# KiCad board demomatrix.kicad_pcb (continued)
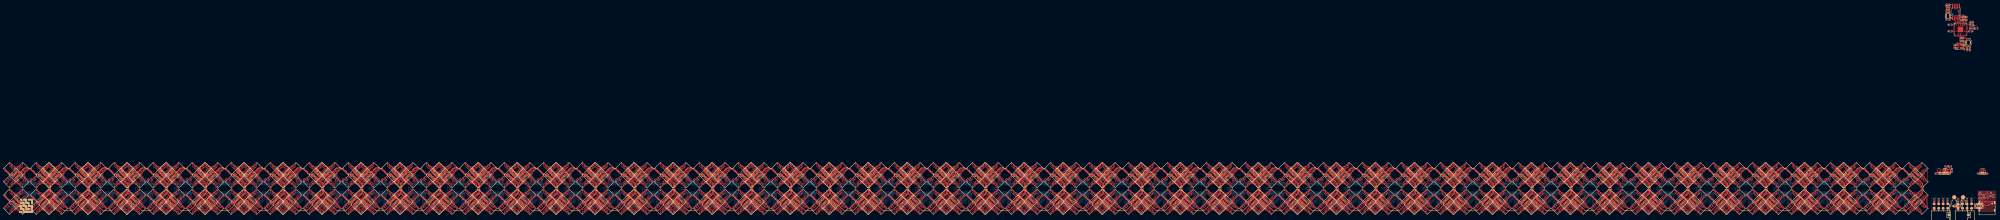
[diagram p0: board, top side]
## Library data of the parts (continued)
C455 = -: Datasheet: https://www.lcsc.com/datasheet/lcsc_datasheet_2304140030_FH--Guangdong-Fenghua-Advanced-Tech-0402CG150J500NT_C1548.pdf; LCSC: C1548; Manufacturer: FH(Guangdong Fenghua Advanced Tech); Partnumber: 0402CG150J500NT; PARAM_capacitance: {"type": "Quantity_Interval_Disjoint", "data": {"intervals": {"type": "Numeric_Interval_Disjoint", "data": {"intervals": [{"type": "Numeric_Interval", "data": {"min": 1.425e-11, "max": 1.575e-11}}]}}, "unit": "farad"}}; PARAM_max_voltage: {"type": "Quantity_Set_Discrete", "data": {"intervals": {"type": "Numeric_Interval_Disjoint", "data": {"intervals": [{"type": "Numeric_Interval", "data": {"min": 50.0, "max": 50.0}}]}}, "unit": "volt"}}; PARAM_temperature_coefficient: {"type": "EnumSet", "data": {"elements": [{"name": "C0G"}], "enum": {"name": "TemperatureCoefficient", "values": {"Y5V": 1, "Z5U": 2, "X7S": 3, "X5R": 4, "X6R": 5, "X7R": 6, "X8R": 7, "C0G": 8}}}}; atopile_address: micro.crystal_oscillator.compensation_capacitors[1]; atopile_subaddresses: [.ato/modules/atopile/raspberry-rp2040/layouts/default/default.kicad_pcb:crystal_oscillator.compensation_capacitors[1]]
C456 = -: Datasheet: https://www.lcsc.com/datasheet/lcsc_datasheet_2304140030_Samsung-Electro-Mechanics-CL05A225MQ5NSNC_C12530.pdf; LCSC: C12530; Manufacturer: Samsung Electro-Mechanics; Partnumber: CL05A225MQ5NSNC; PARAM_capacitance: {"type": "Quantity_Interval_Disjoint", "data": {"intervals": {"type": "Numeric_Interval_Disjoint", "data": {"intervals": [{"type": "Numeric_Interval", "data": {"min": 1.759999993e-06, "max": 2.640000007e-06}}]}}, "unit": "farad"}}; PARAM_max_voltage: {"type": "Quantity_Set_Discrete", "data": {"intervals": {"type": "Numeric_Interval_Disjoint", "data": {"intervals": [{"type": "Numeric_Interval", "data": {"min": 6.3, "max": 6.3}}]}}, "unit": "volt"}}; PARAM_temperature_coefficient: {"type": "EnumSet", "data": {"elements": [{"name": "X5R"}], "enum": {"name": "TemperatureCoefficient", "values": {"Y5V": 1, "Z5U": 2, "X7S": 3, "X5R": 4, "X6R": 5, "X7R": 6, "X8R": 7, "C0G": 8}}}}; atopile_address: micro.io_power_decoupling_capacitor[0]; atopile_subaddresses: [.ato/modules/atopile/raspberry-rp2040/layouts/default/default.kicad_pcb:io_power_decoupling_capacitor[0]]
C457 = -: Datasheet: https://www.lcsc.com/datasheet/lcsc_datasheet_2304140030_Samsung-Electro-Mechanics-CL05B104KO5NNNC_C1525.pdf; LCSC: C1525; Manufacturer: Samsung Electro-Mechanics; Partnumber: CL05B104KO5NNNC; PARAM_capacitance: {"type": "Quantity_Interval_Disjoint", "data": {"intervals": {"type": "Numeric_Interval_Disjoint", "data": {"intervals": [{"type": "Numeric_Interval", "data": {"min": 9e-08, "max": 1.1e-07}}]}}, "unit": "farad"}}; PARAM_max_voltage: {"type": "Quantity_Set_Discrete", "data": {"intervals": {"type": "Numeric_Interval_Disjoint", "data": {"intervals": [{"type": "Numeric_Interval", "data": {"min": 16.0, "max": 16.0}}]}}, "unit": "volt"}}; PARAM_temperature_coefficient: {"type": "EnumSet", "data": {"elements": [{"name": "X7R"}], "enum": {"name": "TemperatureCoefficient", "values": {"Y5V": 1, "Z5U": 2, "X7S": 3, "X5R": 4, "X6R": 5, "X7R": 6, "X8R": 7, "C0G": 8}}}}; atopile_address: micro.io_power_decoupling_capacitor[1]; atopile_subaddresses: [.ato/modules/atopile/raspberry-rp2040/layouts/default/default.kicad_pcb:io_power_decoupling_capacitor[1]]
C458 = -: Datasheet: https://www.lcsc.com/datasheet/lcsc_datasheet_2304140030_Samsung-Electro-Mechanics-CL05B104KO5NNNC_C1525.pdf; LCSC: C1525; Manufacturer: Samsung Electro-Mechanics; Partnumber: CL05B104KO5NNNC; PARAM_capacitance: {"type": "Quantity_Interval_Disjoint", "data": {"intervals": {"type": "Numeric_Interval_Disjoint", "data": {"intervals": [{"type": "Numeric_Interval", "data": {"min": 9e-08, "max": 1.1e-07}}]}}, "unit": "farad"}}; PARAM_max_voltage: {"type": "Quantity_Set_Discrete", "data": {"intervals": {"type": "Numeric_Interval_Disjoint", "data": {"intervals": [{"type": "Numeric_Interval", "data": {"min": 16.0, "max": 16.0}}]}}, "unit": "volt"}}; PARAM_temperature_coefficient: {"type": "EnumSet", "data": {"elements": [{"name": "X7R"}], "enum": {"name": "TemperatureCoefficient", "values": {"Y5V": 1, "Z5U": 2, "X7S": 3, "X5R": 4, "X6R": 5, "X7R": 6, "X8R": 7, "C0G": 8}}}}; atopile_address: micro.io_power_decoupling_capacitor[2]; atopile_subaddresses: [.ato/modules/atopile/raspberry-rp2040/layouts/default/default.kicad_pcb:io_power_decoupling_capacitor[2]]
C459 = -: Datasheet: https://www.lcsc.com/datasheet/lcsc_datasheet_2304140030_Samsung-Electro-Mechanics-CL05B104KO5NNNC_C1525.pdf; LCSC: C1525; Manufacturer: Samsung Electro-Mechanics; Partnumber: CL05B104KO5NNNC; PARAM_capacitance: {"type": "Quantity_Interval_Disjoint", "data": {"intervals": {"type": "Numeric_Interval_Disjoint", "data": {"intervals": [{"type": "Numeric_Interval", "data": {"min": 9e-08, "max": 1.1e-07}}]}}, "unit": "farad"}}; PARAM_max_voltage: {"type": "Quantity_Set_Discrete", "data": {"intervals": {"type": "Numeric_Interval_Disjoint", "data": {"intervals": [{"type": "Numeric_Interval", "data": {"min": 16.0, "max": 16.0}}]}}, "unit": "volt"}}; PARAM_temperature_coefficient: {"type": "EnumSet", "data": {"elements": [{"name": "X7R"}], "enum": {"name": "TemperatureCoefficient", "values": {"Y5V": 1, "Z5U": 2, "X7S": 3, "X5R": 4, "X6R": 5, "X7R": 6, "X8R": 7, "C0G": 8}}}}; atopile_address: micro.io_power_decoupling_capacitor[3]; atopile_subaddresses: [.ato/modules/atopile/raspberry-rp2040/layouts/default/default.kicad_pcb:io_power_decoupling_capacitor[3]]
C460 = -: Datasheet: https://www.lcsc.com/datasheet/lcsc_datasheet_2304140030_Samsung-Electro-Mechanics-CL05B104KO5NNNC_C1525.pdf; LCSC: C1525; Manufacturer: Samsung Electro-Mechanics; Partnumber: CL05B104KO5NNNC; PARAM_capacitance: {"type": "Quantity_Interval_Disjoint", "data": {"intervals": {"type": "Numeric_Interval_Disjoint", "data": {"intervals": [{"type": "Numeric_Interval", "data": {"min": 9e-08, "max": 1.1e-07}}]}}, "unit": "farad"}}; PARAM_max_voltage: {"type": "Quantity_Set_Discrete", "data": {"intervals": {"type": "Numeric_Interval_Disjoint", "data": {"intervals": [{"type": "Numeric_Interval", "data": {"min": 16.0, "max": 16.0}}]}}, "unit": "volt"}}; PARAM_temperature_coefficient: {"type": "EnumSet", "data": {"elements": [{"name": "X7R"}], "enum": {"name": "TemperatureCoefficient", "values": {"Y5V": 1, "Z5U": 2, "X7S": 3, "X5R": 4, "X6R": 5, "X7R": 6, "X8R": 7, "C0G": 8}}}}; atopile_address: micro.io_power_decoupling_capacitor[4]; atopile_subaddresses: [.ato/modules/atopile/raspberry-rp2040/layouts/default/default.kicad_pcb:io_power_decoupling_capacitor[4]]
C461 = -: Datasheet: https://www.lcsc.com/datasheet/lcsc_datasheet_2304140030_Samsung-Electro-Mechanics-CL05B104KO5NNNC_C1525.pdf; LCSC: C1525; Manufacturer: Samsung Electro-Mechanics; Partnumber: CL05B104KO5NNNC; PARAM_capacitance: {"type": "Quantity_Interval_Disjoint", "data": {"intervals": {"type": "Numeric_Interval_Disjoint", "data": {"intervals": [{"type": "Numeric_Interval", "data": {"min": 9e-08, "max": 1.1e-07}}]}}, "unit": "farad"}}; PARAM_max_voltage: {"type": "Quantity_Set_Discrete", "data": {"intervals": {"type": "Numeric_Interval_Disjoint", "data": {"intervals": [{"type": "Numeric_Interval", "data": {"min": 16.0, "max": 16.0}}]}}, "unit": "volt"}}; PARAM_temperature_coefficient: {"type": "EnumSet", "data": {"elements": [{"name": "X7R"}], "enum": {"name": "TemperatureCoefficient", "values": {"Y5V": 1, "Z5U": 2, "X7S": 3, "X5R": 4, "X6R": 5, "X7R": 6, "X8R": 7, "C0G": 8}}}}; atopile_address: micro.io_power_decoupling_capacitor[5]; atopile_subaddresses: [.ato/modules/atopile/raspberry-rp2040/layouts/default/default.kicad_pcb:io_power_decoupling_capacitor[5]]
C462 = -: Datasheet: https://www.lcsc.com/datasheet/lcsc_datasheet_2304140030_Samsung-Electro-Mechanics-CL05B104KO5NNNC_C1525.pdf; LCSC: C1525; Manufacturer: Samsung Electro-Mechanics; Partnumber: CL05B104KO5NNNC; PARAM_capacitance: {"type": "Quantity_Interval_Disjoint", "data": {"intervals": {"type": "Numeric_Interval_Disjoint", "data": {"intervals": [{"type": "Numeric_Interval", "data": {"min": 9e-08, "max": 1.1e-07}}]}}, "unit": "farad"}}; PARAM_max_voltage: {"type": "Quantity_Set_Discrete", "data": {"intervals": {"type": "Numeric_Interval_Disjoint", "data": {"intervals": [{"type": "Numeric_Interval", "data": {"min": 16.0, "max": 16.0}}]}}, "unit": "volt"}}; PARAM_temperature_coefficient: {"type": "EnumSet", "data": {"elements": [{"name": "X7R"}], "enum": {"name": "TemperatureCoefficient", "values": {"Y5V": 1, "Z5U": 2, "X7S": 3, "X5R": 4, "X6R": 5, "X7R": 6, "X8R": 7, "C0G": 8}}}}; atopile_address: micro.io_power_decoupling_capacitor[6]; atopile_subaddresses: [.ato/modules/atopile/raspberry-rp2040/layouts/default/default.kicad_pcb:io_power_decoupling_capacitor[6]]
C463 = -: Datasheet: https://www.lcsc.com/datasheet/lcsc_datasheet_2304140030_Samsung-Electro-Mechanics-CL05A225MQ5NSNC_C12530.pdf; LCSC: C12530; Manufacturer: Samsung Electro-Mechanics; Partnumber: CL05A225MQ5NSNC; PARAM_capacitance: {"type": "Quantity_Interval_Disjoint", "data": {"intervals": {"type": "Numeric_Interval_Disjoint", "data": {"intervals": [{"type": "Numeric_Interval", "data": {"min": 1.759999993e-06, "max": 2.640000007e-06}}]}}, "unit": "farad"}}; PARAM_max_voltage: {"type": "Quantity_Set_Discrete", "data": {"intervals": {"type": "Numeric_Interval_Disjoint", "data": {"intervals": [{"type": "Numeric_Interval", "data": {"min": 6.3, "max": 6.3}}]}}, "unit": "volt"}}; PARAM_temperature_coefficient: {"type": "EnumSet", "data": {"elements": [{"name": "X5R"}], "enum": {"name": "TemperatureCoefficient", "values": {"Y5V": 1, "Z5U": 2, "X7S": 3, "X5R": 4, "X6R": 5, "X7R": 6, "X8R": 7, "C0G": 8}}}}; atopile_address: micro.qspi_flash.decoupling_capacitor[0]; atopile_subaddresses: [.ato/modules/atopile/raspberry-rp2040/layouts/default/default.kicad_pcb:qspi_flash.decoupling_capacitor[0]]
C464 = -: Datasheet: https://www.lcsc.com/datasheet/lcsc_datasheet_2304140030_Samsung-Electro-Mechanics-CL05B104KO5NNNC_C1525.pdf; LCSC: C1525; Manufacturer: Samsung Electro-Mechanics; Partnumber: CL05B104KO5NNNC; PARAM_capacitance: {"type": "Quantity_Interval_Disjoint", "data": {"intervals": {"type": "Numeric_Interval_Disjoint", "data": {"intervals": [{"type": "Numeric_Interval", "data": {"min": 9e-08, "max": 1.1e-07}}]}}, "unit": "farad"}}; PARAM_max_voltage: {"type": "Quantity_Set_Discrete", "data": {"intervals": {"type": "Numeric_Interval_Disjoint", "data": {"intervals": [{"type": "Numeric_Interval", "data": {"min": 16.0, "max": 16.0}}]}}, "unit": "volt"}}; PARAM_temperature_coefficient: {"type": "EnumSet", "data": {"elements": [{"name": "X7R"}], "enum": {"name": "TemperatureCoefficient", "values": {"Y5V": 1, "Z5U": 2, "X7S": 3, "X5R": 4, "X6R": 5, "X7R": 6, "X8R": 7, "C0G": 8}}}}; atopile_address: micro.qspi_flash.decoupling_capacitor[1]; atopile_subaddresses: [.ato/modules/atopile/raspberry-rp2040/layouts/default/default.kicad_pcb:qspi_flash.decoupling_capacitor[1]]
C465 = -: Datasheet: https://www.lcsc.com/datasheet/lcsc_datasheet_2304140030_Samsung-Electro-Mechanics-CL05A105KA5NQNC_C52923.pdf; LCSC: C52923; Manufacturer: Samsung Electro-Mechanics; Partnumber: CL05A105KA5NQNC; PARAM_capacitance: {"type": "Quantity_Interval_Disjoint", "data": {"intervals": {"type": "Numeric_Interval_Disjoint", "data": {"intervals": [{"type": "Numeric_Interval", "data": {"min": 8.99999999e-07, "max": 1.100000001e-06}}]}}, "unit": "farad"}}; PARAM_max_voltage: {"type": "Quantity_Set_Discrete", "data": {"intervals": {"type": "Numeric_Interval_Disjoint", "data": {"intervals": [{"type": "Numeric_Interval", "data": {"min": 25.0, "max": 25.0}}]}}, "unit": "volt"}}; PARAM_temperature_coefficient: {"type": "EnumSet", "data": {"elements": [{"name": "X5R"}], "enum": {"name": "TemperatureCoefficient", "values": {"Y5V": 1, "Z5U": 2, "X7S": 3, "X5R": 4, "X6R": 5, "X7R": 6, "X8R": 7, "C0G": 8}}}}; atopile_address: micro.reset_switch.filter.capacitor; atopile_subaddresses: [.ato/modules/atopile/raspberry-rp2040/layouts/default/default.kicad_pcb:reset_switch.filter.capacitor]
C466 = -: Datasheet: https://www.lcsc.com/datasheet/lcsc_datasheet_2304140030_Samsung-Electro-Mechanics-CL05B104KO5NNNC_C1525.pdf; LCSC: C1525; Manufacturer: Samsung Electro-Mechanics; Partnumber: CL05B104KO5NNNC; PARAM_capacitance: {"type": "Quantity_Interval_Disjoint", "data": {"intervals": {"type": "Numeric_Interval_Disjoint", "data": {"intervals": [{"type": "Numeric_Interval", "data": {"min": 9e-08, "max": 1.1e-07}}]}}, "unit": "farad"}}; PARAM_max_voltage: {"type": "Quantity_Set_Discrete", "data": {"intervals": {"type": "Numeric_Interval_Disjoint", "data": {"intervals": [{"type": "Numeric_Interval", "data": {"min": 16.0, "max": 16.0}}]}}, "unit": "volt"}}; PARAM_temperature_coefficient: {"type": "EnumSet", "data": {"elements": [{"name": "X7R"}], "enum": {"name": "TemperatureCoefficient", "values": {"Y5V": 1, "Z5U": 2, "X7S": 3, "X5R": 4, "X6R": 5, "X7R": 6, "X8R": 7, "C0G": 8}}}}; atopile_address: sdi_shifter.decoupling_caps[0]; atopile_subaddresses: [.ato/modules/atopile/diodes-inc-74lvc1t45dw-7/layouts/default/default.kicad_pcb:decoupling_caps[0]]
C467 = -: Datasheet: https://www.lcsc.com/datasheet/lcsc_datasheet_2304140030_Samsung-Electro-Mechanics-CL05B104KO5NNNC_C1525.pdf; LCSC: C1525; Manufacturer: Samsung Electro-Mechanics; Partnumber: CL05B104KO5NNNC; PARAM_capacitance: {"type": "Quantity_Interval_Disjoint", "data": {"intervals": {"type": "Numeric_Interval_Disjoint", "data": {"intervals": [{"type": "Numeric_Interval", "data": {"min": 9e-08, "max": 1.1e-07}}]}}, "unit": "farad"}}; PARAM_max_voltage: {"type": "Quantity_Set_Discrete", "data": {"intervals": {"type": "Numeric_Interval_Disjoint", "data": {"intervals": [{"type": "Numeric_Interval", "data": {"min": 16.0, "max": 16.0}}]}}, "unit": "volt"}}; PARAM_temperature_coefficient: {"type": "EnumSet", "data": {"elements": [{"name": "X7R"}], "enum": {"name": "TemperatureCoefficient", "values": {"Y5V": 1, "Z5U": 2, "X7S": 3, "X5R": 4, "X6R": 5, "X7R": 6, "X8R": 7, "C0G": 8}}}}; atopile_address: sdi_shifter.decoupling_caps[1]; atopile_subaddresses: [.ato/modules/atopile/diodes-inc-74lvc1t45dw-7/layouts/default/default.kicad_pcb:decoupling_caps[1]]
C468 = -: Datasheet: https://www.lcsc.com/datasheet/lcsc_datasheet_2304140030_Samsung-Electro-Mechanics-CL05B104KO5NNNC_C1525.pdf; LCSC: C1525; Manufacturer: Samsung Electro-Mechanics; Partnumber: CL05B104KO5NNNC; PARAM_capacitance: {"type": "Quantity_Interval_Disjoint", "data": {"intervals": {"type": "Numeric_Interval_Disjoint", "data": {"intervals": [{"type": "Numeric_Interval", "data": {"min": 9e-08, "max": 1.1e-07}}]}}, "unit": "farad"}}; PARAM_max_voltage: {"type": "Quantity_Set_Discrete", "data": {"intervals": {"type": "Numeric_Interval_Disjoint", "data": {"intervals": [{"type": "Numeric_Interval", "data": {"min": 16.0, "max": 16.0}}]}}, "unit": "volt"}}; PARAM_temperature_coefficient: {"type": "EnumSet", "data": {"elements": [{"name": "X7R"}], "enum": {"name": "TemperatureCoefficient", "values": {"Y5V": 1, "Z5U": 2, "X7S": 3, "X5R": 4, "X6R": 5, "X7R": 6, "X8R": 7, "C0G": 8}}}}; atopile_address: sdo_shifter.decoupling_caps[0]; atopile_subaddresses: [.ato/modules/atopile/diodes-inc-74lvc1t45dw-7/layouts/default/default.kicad_pcb:decoupling_caps[0]]
C469 = -: Datasheet: https://www.lcsc.com/datasheet/lcsc_datasheet_2304140030_Samsung-Electro-Mechanics-CL05B104KO5NNNC_C1525.pdf; LCSC: C1525; Manufacturer: Samsung Electro-Mechanics; Partnumber: CL05B104KO5NNNC; PARAM_capacitance: {"type": "Quantity_Interval_Disjoint", "data": {"intervals": {"type": "Numeric_Interval_Disjoint", "data": {"intervals": [{"type": "Numeric_Interval", "data": {"min": 9e-08, "max": 1.1e-07}}]}}, "unit": "farad"}}; PARAM_max_voltage: {"type": "Quantity_Set_Discrete", "data": {"intervals": {"type": "Numeric_Interval_Disjoint", "data": {"intervals": [{"type": "Numeric_Interval", "data": {"min": 16.0, "max": 16.0}}]}}, "unit": "volt"}}; PARAM_temperature_coefficient: {"type": "EnumSet", "data": {"elements": [{"name": "X7R"}], "enum": {"name": "TemperatureCoefficient", "values": {"Y5V": 1, "Z5U": 2, "X7S": 3, "X5R": 4, "X6R": 5, "X7R": 6, "X8R": 7, "C0G": 8}}}}; atopile_address: sdo_shifter.decoupling_caps[1]; atopile_subaddresses: [.ato/modules/atopile/diodes-inc-74lvc1t45dw-7/layouts/default/default.kicad_pcb:decoupling_caps[1]]
C470 = -: Datasheet: https://www.lcsc.com/datasheet/lcsc_datasheet_2304140030_Samsung-Electro-Mechanics-CL05B104KO5NNNC_C1525.pdf; LCSC: C1525; Manufacturer: Samsung Electro-Mechanics; Partnumber: CL05B104KO5NNNC; PARAM_capacitance: {"type": "Quantity_Interval_Disjoint", "data": {"intervals": {"type": "Numeric_Interval_Disjoint", "data": {"intervals": [{"type": "Numeric_Interval", "data": {"min": 9e-08, "max": 1.1e-07}}]}}, "unit": "farad"}}; PARAM_max_voltage: {"type": "Quantity_Set_Discrete", "data": {"intervals": {"type": "Numeric_Interval_Disjoint", "data": {"intervals": [{"type": "Numeric_Interval", "data": {"min": 16.0, "max": 16.0}}]}}, "unit": "volt"}}; PARAM_temperature_coefficient: {"type": "EnumSet", "data": {"elements": [{"name": "X7R"}], "enum": {"name": "TemperatureCoefficient", "values": {"Y5V": 1, "Z5U": 2, "X7S": 3, "X5R": 4, "X6R": 5, "X7R": 6, "X8R": 7, "C0G": 8}}}}; atopile_address: usb_c.esd_protection.decoupling_capacitor; atopile_subaddresses: [.ato/modules/atopile/usb-connectors/layouts/default/default.kicad_pcb:esd_protection.decoupling_capacitor]
CN1 = -: LCSC: C431092; Manufacturer: AMASS; Partnumber: XT30PW-M30.G.Y; atopile_address: led_power_connector.package
D1 = -: Datasheet: https://lcsc.com/datasheet/lcsc_datasheet_2410121836_ST-USBLC6-2SC6_C7519.pdf; LCSC: C7519; Manufacturer: STMicroelectronics; Partnumber: USBLC6-2SC6; atopile_address: usb_c.esd_protection.package; atopile_subaddresses: [.ato/modules/atopile/usb-connectors/layouts/default/default.kicad_pcb:esd_protection.package]
F1 = -: Datasheet: https://lcsc.com/datasheet/lcsc_datasheet_2409301532_BHFUSE-BSMD0805-050-15V_C883109.pdf; LCSC: C883109; Manufacturer: BHFUSE; Partnumber: BSMD0805-050-15V; atopile_address: usb_c.fused_usb.fuse.package; atopile_subaddresses: [.ato/modules/atopile/usb-connectors/layouts/default/default.kicad_pcb:fused_usb.fuse.package]
LED1 = -: LCSC: C22470444; Manufacturer: HONGLITRONIC); Partnumber: HL-5050RGBW-S1-A27; atopile_address: clusters[0].rows[0].pixels[0].rgbs[0].rgbw.package; atopile_subaddresses: [elec/layout/cluster2x2/cluster2x2.kicad_pcb:rows[0].pixels[0].rgbs[0].rgbw.package, elec/layout/pixel15hl5050/pixel15hl5050.kicad_pcb:rgbs[0].rgbw.package, elec/layout/row2/row2.kicad_pcb:pixels[0].rgbs[0].rgbw.package]
LED2 = -: LCSC: C22470444; Manufacturer: HONGLITRONIC); Partnumber: HL-5050RGBW-S1-A27; atopile_address: clusters[0].rows[0].pixels[0].rgbs[1].rgbw.package; atopile_subaddresses: [elec/layout/cluster2x2/cluster2x2.kicad_pcb:rows[0].pixels[0].rgbs[1].rgbw.package, elec/layout/pixel15hl5050/pixel15hl5050.kicad_pcb:rgbs[1].rgbw.package, elec/layout/row2/row2.kicad_pcb:pixels[0].rgbs[1].rgbw.package]
LED3 = -: LCSC: C22470444; Manufacturer: HONGLITRONIC); Partnumber: HL-5050RGBW-S1-A27; atopile_address: clusters[0].rows[0].pixels[0].rgbs[2].rgbw.package; atopile_subaddresses: [elec/layout/cluster2x2/cluster2x2.kicad_pcb:rows[0].pixels[0].rgbs[2].rgbw.package, elec/layout/pixel15hl5050/pixel15hl5050.kicad_pcb:rgbs[2].rgbw.package, elec/layout/row2/row2.kicad_pcb:pixels[0].rgbs[2].rgbw.package]
LED4 = -: LCSC: C22470444; Manufacturer: HONGLITRONIC); Partnumber: HL-5050RGBW-S1-A27; atopile_address: clusters[0].rows[0].pixels[0].rgbs[3].rgbw.package; atopile_subaddresses: [elec/layout/cluster2x2/cluster2x2.kicad_pcb:rows[0].pixels[0].rgbs[3].rgbw.package, elec/layout/pixel15hl5050/pixel15hl5050.kicad_pcb:rgbs[3].rgbw.package, elec/layout/row2/row2.kicad_pcb:pixels[0].rgbs[3].rgbw.package]
LED5 = -: LCSC: C22470444; Manufacturer: HONGLITRONIC); Partnumber: HL-5050RGBW-S1-A27; atopile_address: clusters[0].rows[0].pixels[1].rgbs[0].rgbw.package; atopile_subaddresses: [elec/layout/cluster2x2/cluster2x2.kicad_pcb:rows[0].pixels[1].rgbs[0].rgbw.package, elec/layout/pixel15hl5050/pixel15hl5050.kicad_pcb:rgbs[0].rgbw.package, elec/layout/row2/row2.kicad_pcb:pixels[1].rgbs[0].rgbw.package]
LED6 = -: LCSC: C22470444; Manufacturer: HONGLITRONIC); Partnumber: HL-5050RGBW-S1-A27; atopile_address: clusters[0].rows[0].pixels[1].rgbs[1].rgbw.package; atopile_subaddresses: [elec/layout/cluster2x2/cluster2x2.kicad_pcb:rows[0].pixels[1].rgbs[1].rgbw.package, elec/layout/pixel15hl5050/pixel15hl5050.kicad_pcb:rgbs[1].rgbw.package, elec/layout/row2/row2.kicad_pcb:pixels[1].rgbs[1].rgbw.package]
LED7 = -: LCSC: C22470444; Manufacturer: HONGLITRONIC); Partnumber: HL-5050RGBW-S1-A27; atopile_address: clusters[0].rows[0].pixels[1].rgbs[2].rgbw.package; atopile_subaddresses: [elec/layout/cluster2x2/cluster2x2.kicad_pcb:rows[0].pixels[1].rgbs[2].rgbw.package, elec/layout/pixel15hl5050/pixel15hl5050.kicad_pcb:rgbs[2].rgbw.package, elec/layout/row2/row2.kicad_pcb:pixels[1].rgbs[2].rgbw.package]
LED8 = -: LCSC: C22470444; Manufacturer: HONGLITRONIC); Partnumber: HL-5050RGBW-S1-A27; atopile_address: clusters[0].rows[0].pixels[1].rgbs[3].rgbw.package; atopile_subaddresses: [elec/layout/cluster2x2/cluster2x2.kicad_pcb:rows[0].pixels[1].rgbs[3].rgbw.package, elec/layout/pixel15hl5050/pixel15hl5050.kicad_pcb:rgbs[3].rgbw.package, elec/layout/row2/row2.kicad_pcb:pixels[1].rgbs[3].rgbw.package]
LED9 = -: LCSC: C22470444; Manufacturer: HONGLITRONIC); Partnumber: HL-5050RGBW-S1-A27; atopile_address: clusters[0].rows[1].pixels[0].rgbs[0].rgbw.package; atopile_subaddresses: [elec/layout/cluster2x2/cluster2x2.kicad_pcb:rows[1].pixels[0].rgbs[0].rgbw.package, elec/layout/pixel15hl5050/pixel15hl5050.kicad_pcb:rgbs[0].rgbw.package, elec/layout/row2/row2.kicad_pcb:pixels[0].rgbs[0].rgbw.package]
LED10 = -: LCSC: C22470444; Manufacturer: HONGLITRONIC); Partnumber: HL-5050RGBW-S1-A27; atopile_address: clusters[0].rows[1].pixels[0].rgbs[1].rgbw.package; atopile_subaddresses: [elec/layout/cluster2x2/cluster2x2.kicad_pcb:rows[1].pixels[0].rgbs[1].rgbw.package, elec/layout/pixel15hl5050/pixel15hl5050.kicad_pcb:rgbs[1].rgbw.package, elec/layout/row2/row2.kicad_pcb:pixels[0].rgbs[1].rgbw.package]
LED11 = -: LCSC: C22470444; Manufacturer: HONGLITRONIC); Partnumber: HL-5050RGBW-S1-A27; atopile_address: clusters[0].rows[1].pixels[0].rgbs[2].rgbw.package; atopile_subaddresses: [elec/layout/cluster2x2/cluster2x2.kicad_pcb:rows[1].pixels[0].rgbs[2].rgbw.package, elec/layout/pixel15hl5050/pixel15hl5050.kicad_pcb:rgbs[2].rgbw.package, elec/layout/row2/row2.kicad_pcb:pixels[0].rgbs[2].rgbw.package]
LED12 = -: LCSC: C22470444; Manufacturer: HONGLITRONIC); Partnumber: HL-5050RGBW-S1-A27; atopile_address: clusters[0].rows[1].pixels[0].rgbs[3].rgbw.package; atopile_subaddresses: [elec/layout/cluster2x2/cluster2x2.kicad_pcb:rows[1].pixels[0].rgbs[3].rgbw.package, elec/layout/pixel15hl5050/pixel15hl5050.kicad_pcb:rgbs[3].rgbw.package, elec/layout/row2/row2.kicad_pcb:pixels[0].rgbs[3].rgbw.package]
LED13 = -: LCSC: C22470444; Manufacturer: HONGLITRONIC); Partnumber: HL-5050RGBW-S1-A27; atopile_address: clusters[0].rows[1].pixels[1].rgbs[0].rgbw.package; atopile_subaddresses: [elec/layout/cluster2x2/cluster2x2.kicad_pcb:rows[1].pixels[1].rgbs[0].rgbw.package, elec/layout/pixel15hl5050/pixel15hl5050.kicad_pcb:rgbs[0].rgbw.package, elec/layout/row2/row2.kicad_pcb:pixels[1].rgbs[0].rgbw.package]
LED14 = -: LCSC: C22470444; Manufacturer: HONGLITRONIC); Partnumber: HL-5050RGBW-S1-A27; atopile_address: clusters[0].rows[1].pixels[1].rgbs[1].rgbw.package; atopile_subaddresses: [elec/layout/cluster2x2/cluster2x2.kicad_pcb:rows[1].pixels[1].rgbs[1].rgbw.package, elec/layout/pixel15hl5050/pixel15hl5050.kicad_pcb:rgbs[1].rgbw.package, elec/layout/row2/row2.kicad_pcb:pixels[1].rgbs[1].rgbw.package]
LED15 = -: LCSC: C22470444; Manufacturer: HONGLITRONIC); Partnumber: HL-5050RGBW-S1-A27; atopile_address: clusters[0].rows[1].pixels[1].rgbs[2].rgbw.package; atopile_subaddresses: [elec/layout/cluster2x2/cluster2x2.kicad_pcb:rows[1].pixels[1].rgbs[2].rgbw.package, elec/layout/pixel15hl5050/pixel15hl5050.kicad_pcb:rgbs[2].rgbw.package, elec/layout/row2/row2.kicad_pcb:pixels[1].rgbs[2].rgbw.package]
LED16 = -: LCSC: C22470444; Manufacturer: HONGLITRONIC); Partnumber: HL-5050RGBW-S1-A27; atopile_address: clusters[0].rows[1].pixels[1].rgbs[3].rgbw.package; atopile_subaddresses: [elec/layout/cluster2x2/cluster2x2.kicad_pcb:rows[1].pixels[1].rgbs[3].rgbw.package, elec/layout/pixel15hl5050/pixel15hl5050.kicad_pcb:rgbs[3].rgbw.package, elec/layout/row2/row2.kicad_pcb:pixels[1].rgbs[3].rgbw.package]
LED17 = -: LCSC: C22470444; Manufacturer: HONGLITRONIC); Partnumber: HL-5050RGBW-S1-A27; atopile_address: clusters[1].rows[0].pixels[0].rgbs[0].rgbw.package; atopile_subaddresses: [elec/layout/cluster2x2/cluster2x2.kicad_pcb:rows[0].pixels[0].rgbs[0].rgbw.package, elec/layout/pixel15hl5050/pixel15hl5050.kicad_pcb:rgbs[0].rgbw.package, elec/layout/row2/row2.kicad_pcb:pixels[0].rgbs[0].rgbw.package]